# Altium PCB MPPT.PcbDoc
Units mm, origin at the board's own origin, x right, y up, seen from the top; angles counter-clockwise.
Board outline 84 x 83.24 mm, 2 copper layers (Top Layer, Bottom Layer); 69 components, 41 nets, 225 pads, 101 vias.
Unrouted connection lines stored in the file: 1.
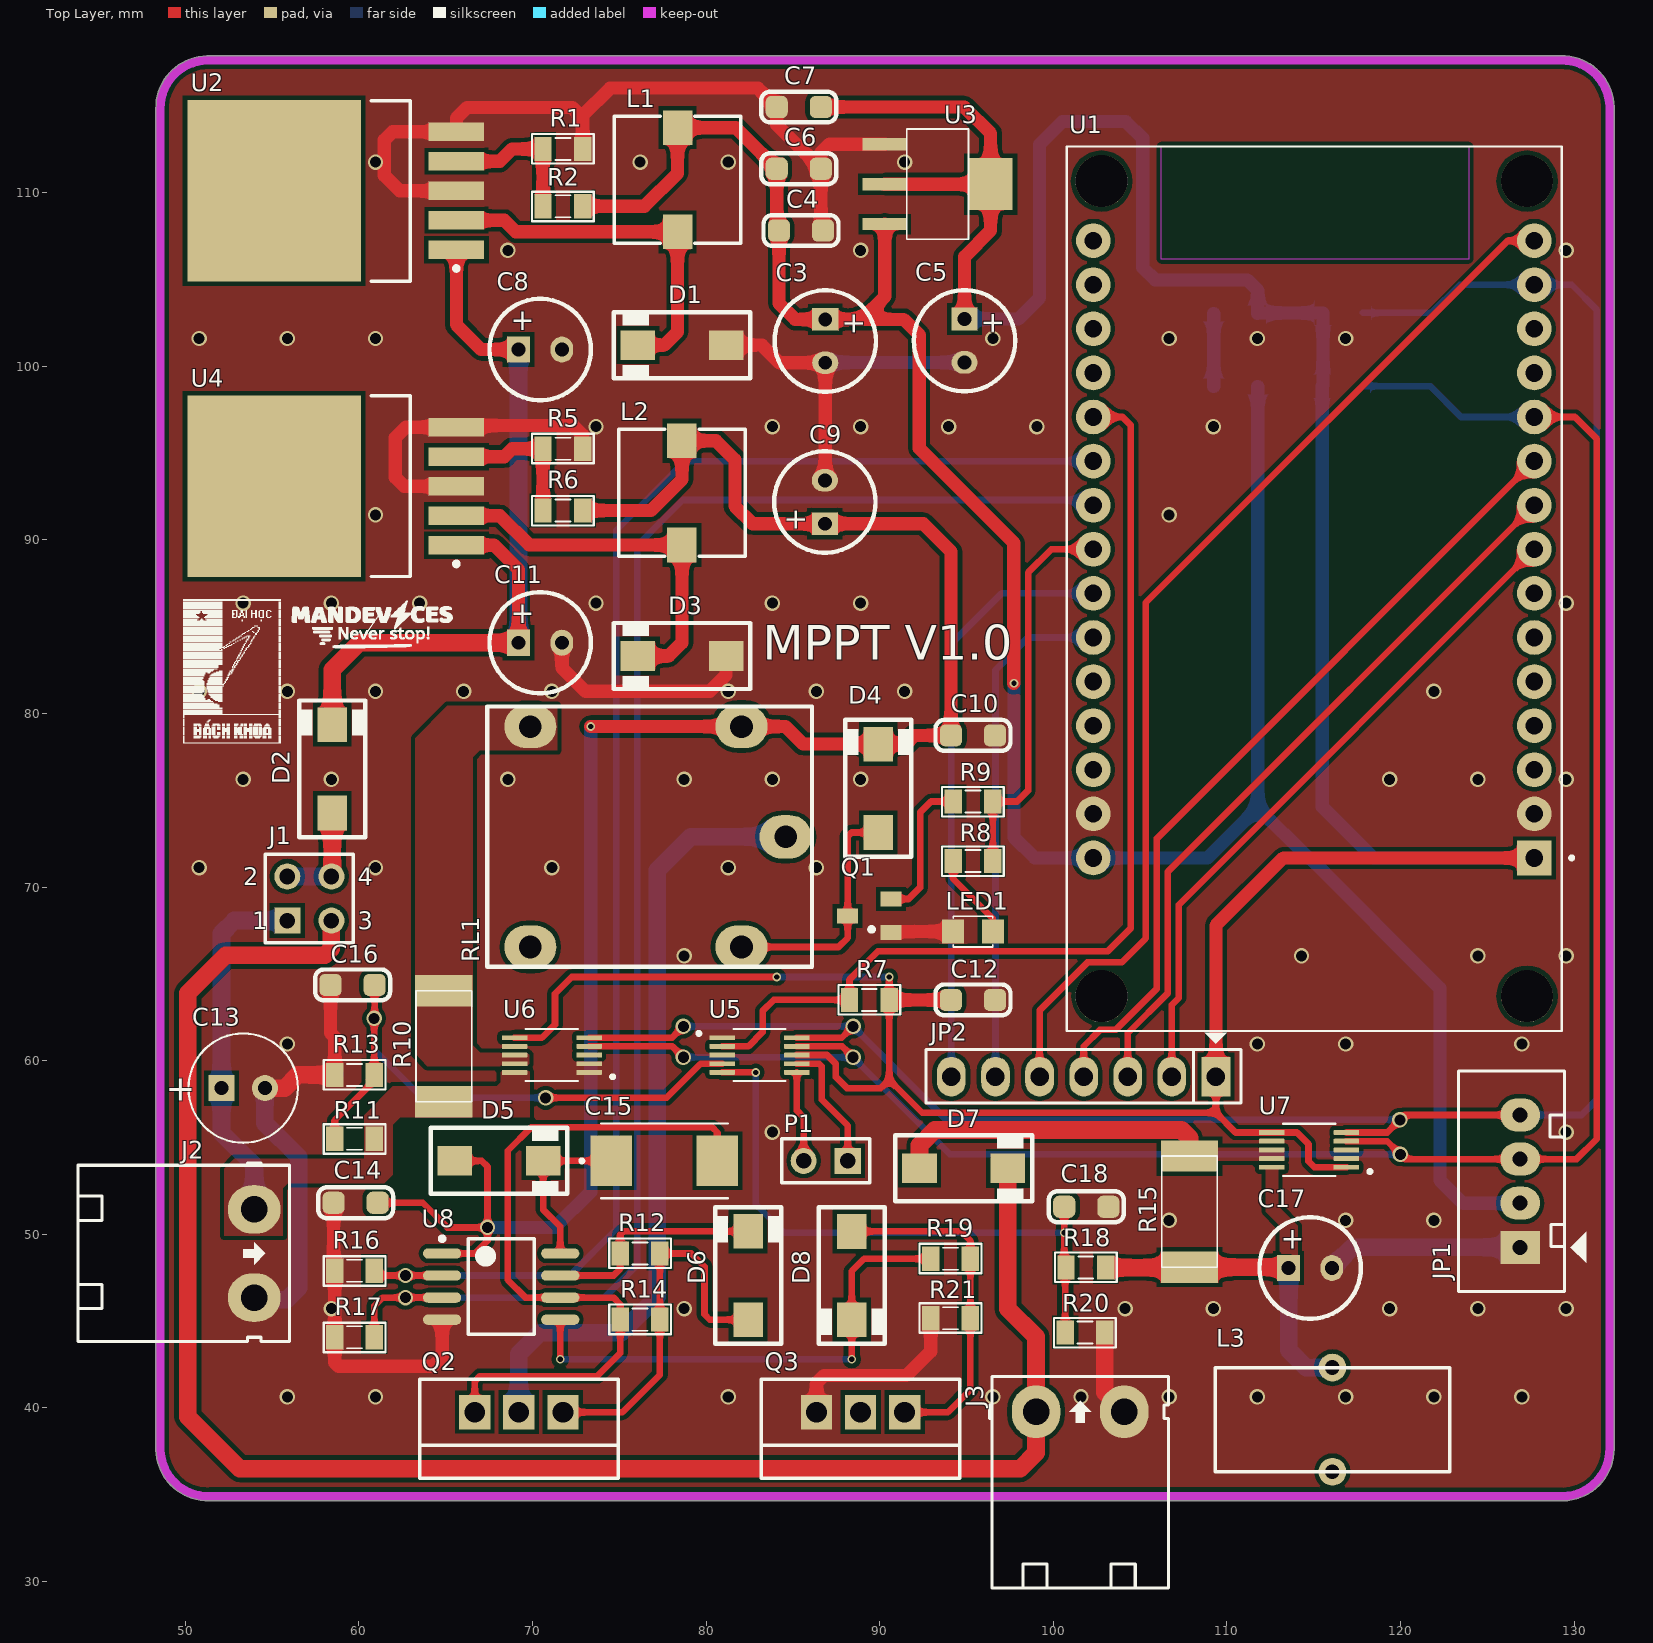
[diagram p0: Top Layer view]
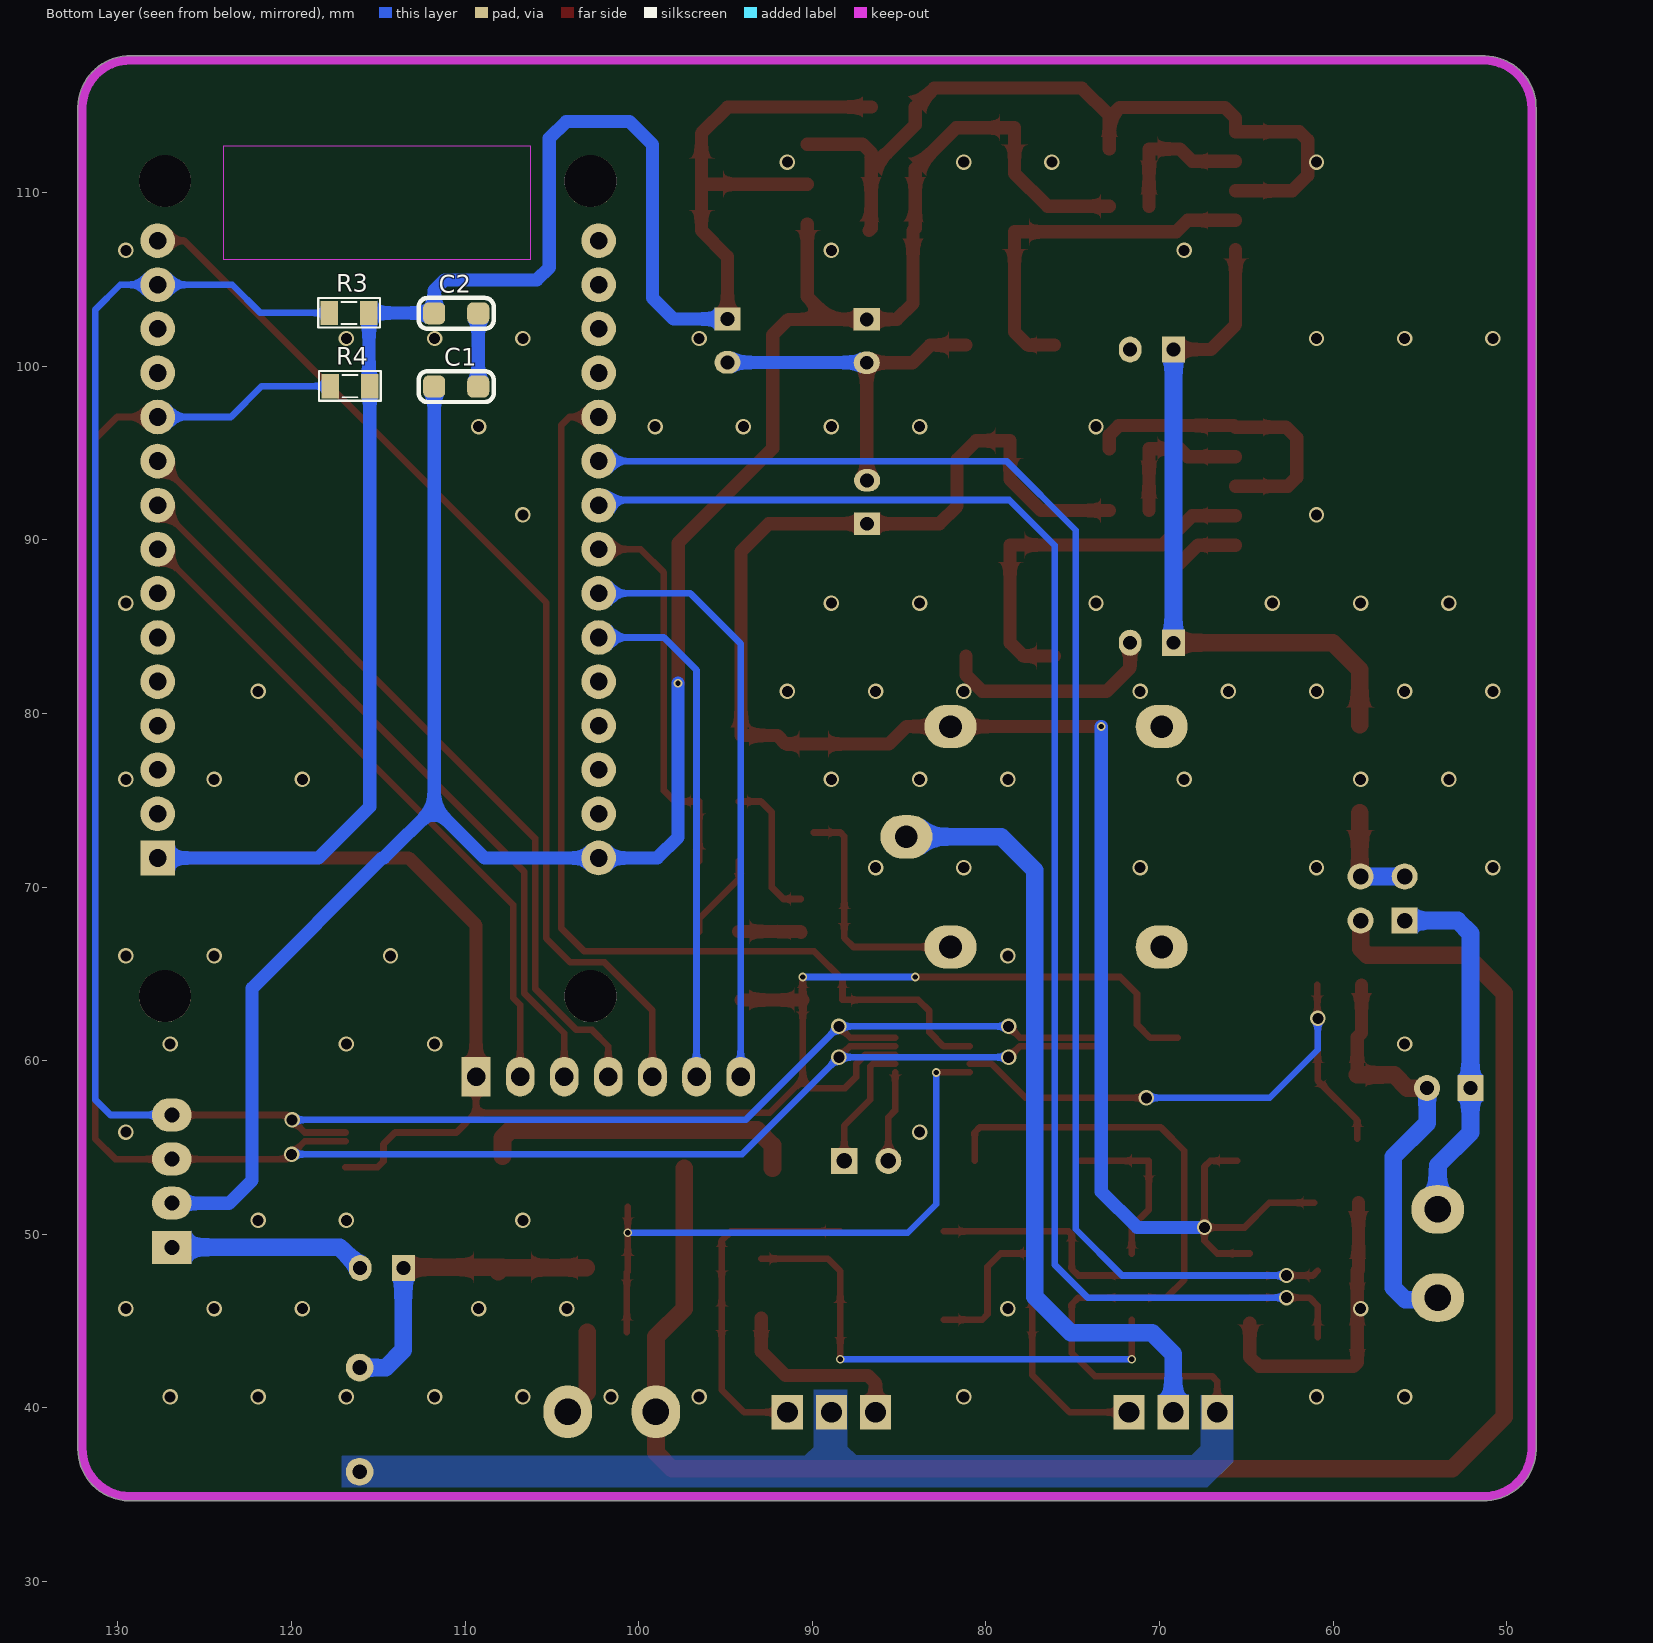
[diagram p1: Bottom Layer view, seen from below]
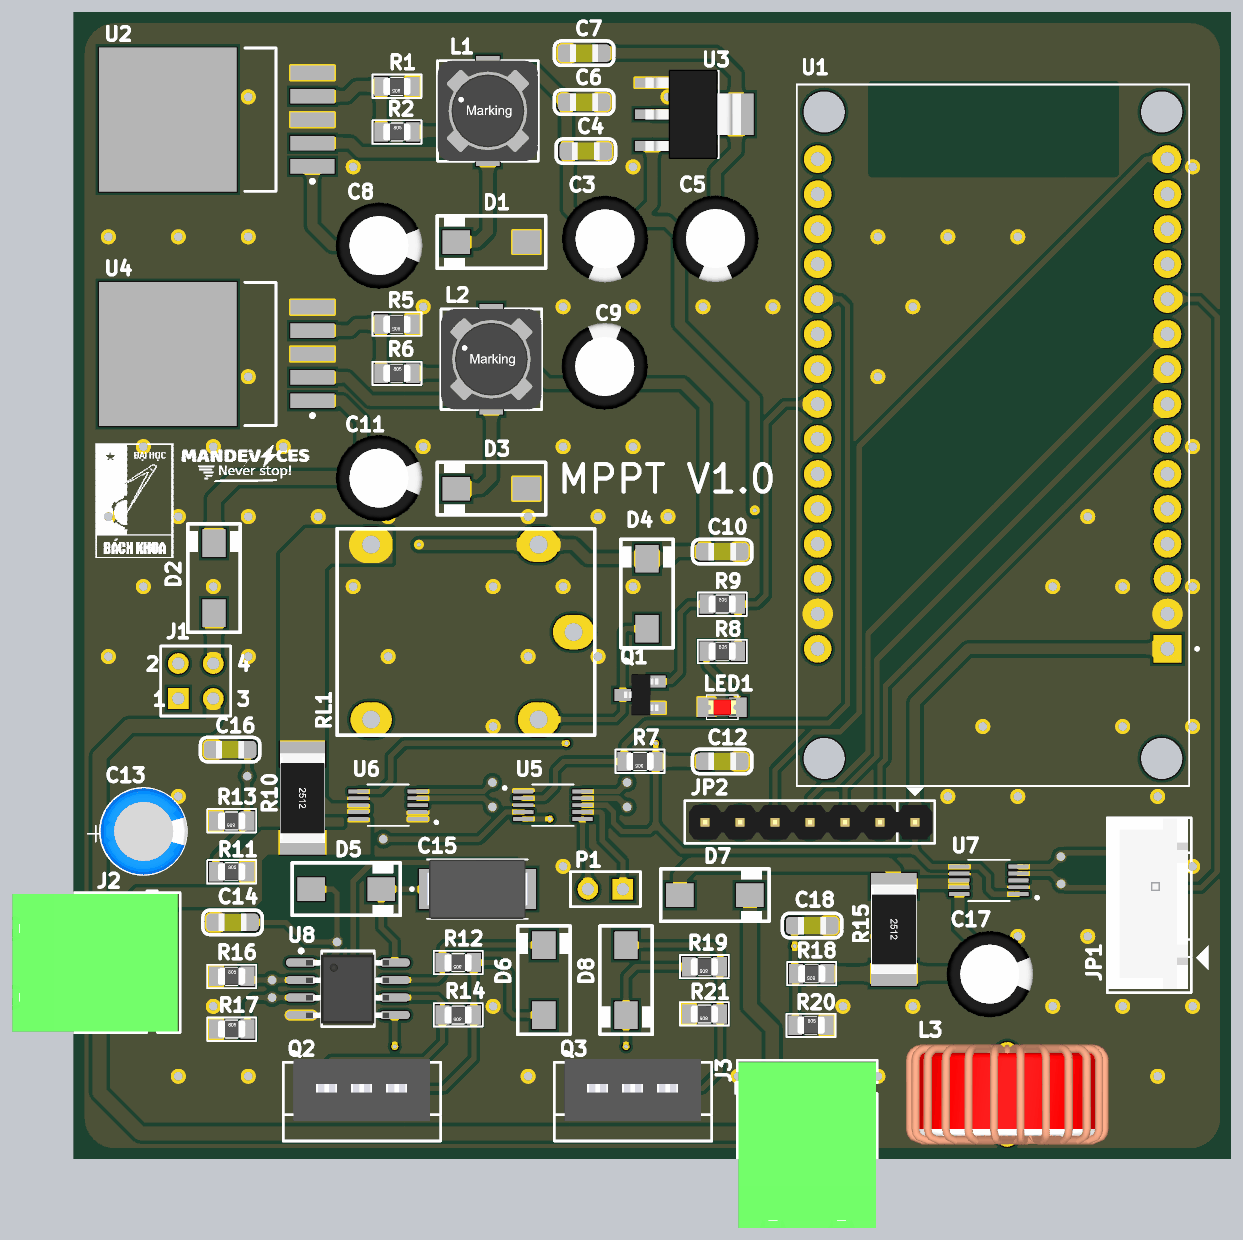
[diagram p2: 3D render of the assembled board from above, using the file's embedded part models]
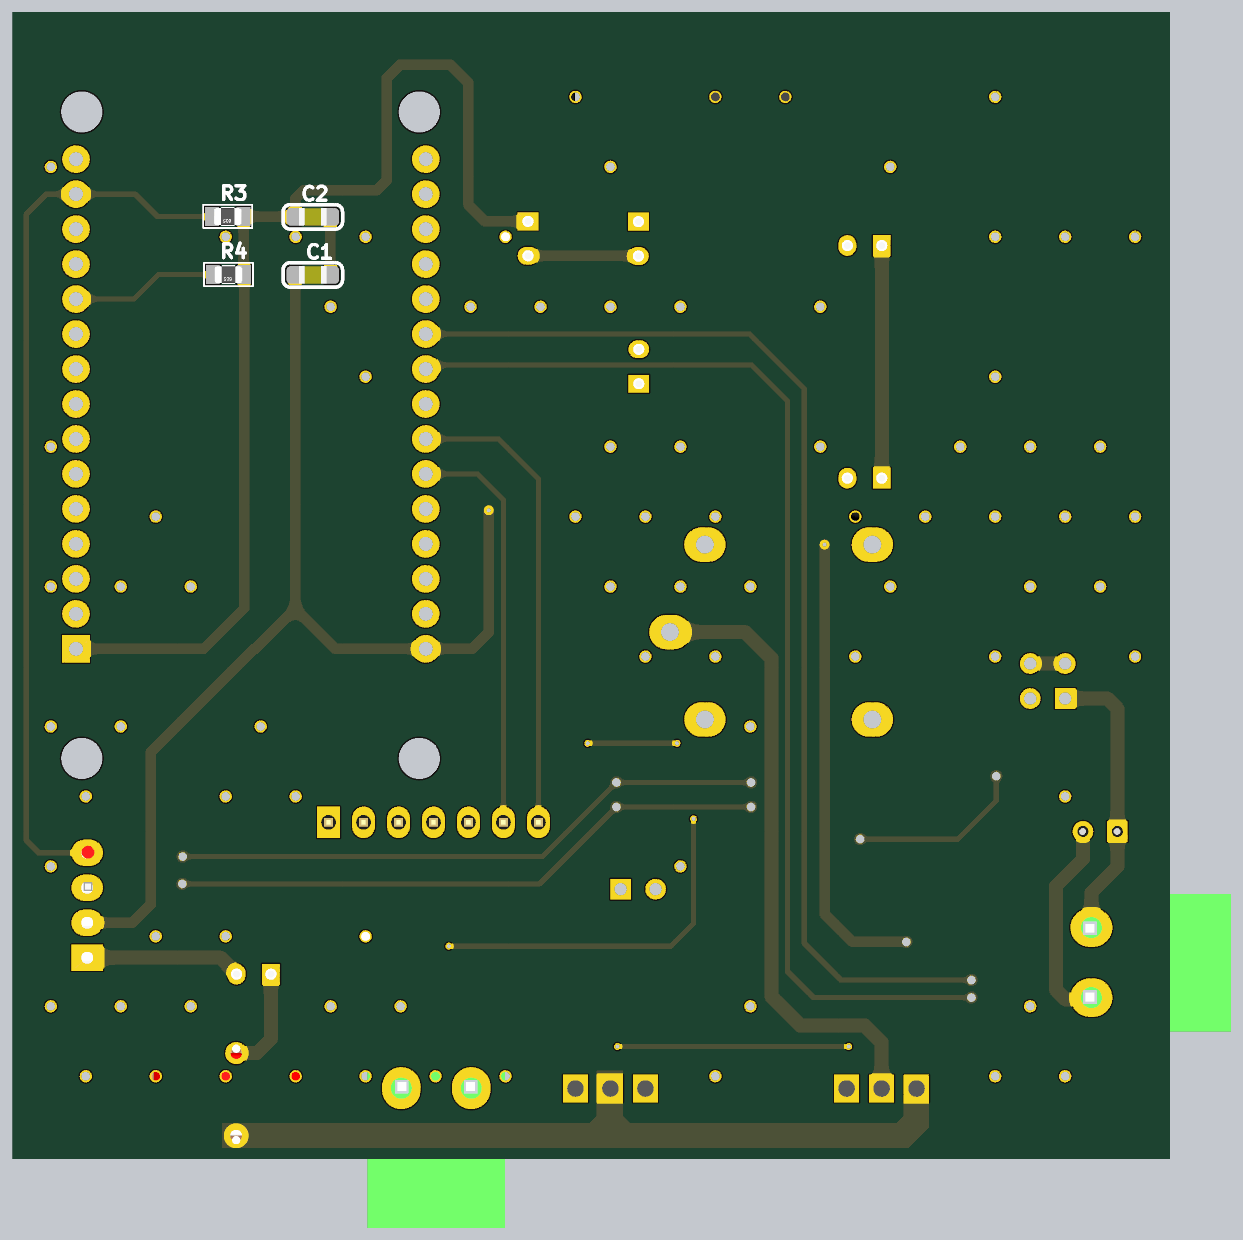
[diagram p3: 3D render of the assembled board from below, using the file's embedded part models]

## Layer stack, top to bottom
Top Solder: solder mask 0.0102, Solder Resist, Dk 3.5
Top Layer: signal copper 0.0356
Dielectric 1: dielectric 0.32, FR-4, Dk 4.8
Bottom Layer: signal copper 0.0356
Bottom Solder: solder mask 0.0102, Solder Resist, Dk 3.5

## Board outline
48.31,37.587 cw(c48.565,37.592) 48.312,37.624 48.312,114.805 cw(c48.565,114.832) 48.311,114.828 cw(c51.308,114.884) 51.251,117.881 cw(c51.256,117.627) 51.29,117.879 cw(c51.308,117.627) 51.308,117.88 129.229,117.88 cw(c129.261,117.627) 129.256,117.882 cw(c129.312,114.885) 132.309,114.941 cw(c132.055,114.936) 132.309,114.936 cw(c132.055,114.936) 132.307,114.901 132.307,37.725 cw(c132.055,37.694) 132.309,37.698 cw(c129.312,37.642) 132.309,37.642 cw(c129.312,37.642) 129.368,34.645 cw(c129.364,34.899) 129.328,34.647 51.376,34.647 cw(c51.359,34.901) 51.364,34.647 cw(c51.308,37.644)

## Design rules (kind name [scope] priority, off if disabled: settings)
Clearance [All] p1: gap=0.254 ignorepadtopadclearanceinfootprint=TRUE
PlaneConnect [All] p1: planeconnectstyle=Direct reliefexpansion=0.508 reliefentries=4 reliefconductorwidth=0.254 reliefairgap=0.254
PolygonConnect [All] p1: connectstyle=Direct reliefconductorwidth=0.254 reliefentries=4 polygonreliefangle="90 Angle" airgapwidth=0.254
RoutingVias [All] p1: holewidth=0.305 width=0.508 viastyle="Through Hole" minholewidth=0.305 minwidth=0.508 maxholewidth=0.305 maxwidth=0.508
SolderMaskExpansion [All] p1: expansion=0.102
Width [All] p1: maxlimit=1.016 minlimit=0.381 preferedwidth=0.762
29 further rules are at their usual default settings.

## Components (designator, comment, footprint, x,y, rotation, side; value= is the part's Value field where it differs from the comment)
C1 "100nF" CAP_0805 110.515,98.831 r0 bottom value=33p
C2 "100nF" CAP_0805 110.515,103.048 r180 bottom value=33p
C3 "220uF" C8mm 86.868,101.453 r270 top
C4 "10uF" CAP_0805 85.471,107.823 r0 top value=33p
C5 "220uF" C8mm 94.889,101.473 r270 top
C6 "100nF" CAP_0805 85.344,111.379 r0 top value=33p
C7 "100nF" CAP_0805 85.344,114.935 r180 top value=33p
C8 "470uF" C8mm 70.448,100.965 r0 top
C9 "220uF" C8mm 86.843,92.182 r90 top
C10 "100nF" CAP_0805 95.377,78.74 r0 top value=33p
C11 "470uF" C8mm 70.448,84.074 r0 top
C12 "100nF" CAP_0805 95.377,63.5 r180 top value=33p
C13 "100uF/35V" CA-ALU-6.3 53.34,58.42 r0 top
C14 "100nF" CAP_0805 59.817,51.816 r180 top value=33p
C15 "10uF" CAP_35TQC10MYF 77.597,54.229 r0 top
C16 "1uF" CAP_0805 59.639,64.364 r180 top value=33p
C17 "470uF" C8mm 114.803,48.057 r0 top
C18 "1uF" CAP_0805 101.905,51.587 r0 top value=33p
D1 "1N5822" SMA 78.613,101.219 r180 top value="Diode c?m 1N5408"
D2 "SS34" SMA 58.471,76.814 r90 top
D3 "1N5822" SMA 78.613,83.312 r180 top value="Diode c?m 1N5408"
D4 "SS34" SMA 89.916,75.692 r90 top
D5 "SS34" SMA 68.076,54.229 r0 top
D6 "SS34" SMA 82.423,47.625 r90 top
D7 "SS34" SMA 94.844,53.797 r0 top
D8 "SS34" SMA 88.392,47.621 r270 top
J1 "Jumper 2x2" HDR2X2 55.88,68.072 r0 top value="JP 2x2"
J2 "KF2" KF2-5.08T 53.975,51.435 r270 top
J3 "KF2" KF2-5.08T 99.009,39.776 r0 top
JP1 "JP4" CON4 126.898,49.251 r90 top value="Connector 4"
JP2 "JP7 PIN" JP7 109.372,59.08 r180 top value=JP7
L1 "33uH" L-SMD-M-7.3x4.5 78.359,110.744 r180 top value="150 mH"
L2 "33uH" L-SMD-M-7.3x4.5 78.613,92.71 r180 top value="150 mH"
L3 "180uH" L-DIP-M-13.5x6 116.078,39.322 r90 top value="150 mH"
LED1 "LED" LED-0805-Red 96.52,67.437 r180 top value="LED 3 ly Single Colour"
P1 "Header 2" HDR1X2 88.163,54.229 r180 top
Q1 "2N222" SOT23 89.408,68.326 r90 top value=C1815
Q2 "IRF2807" TO-220 69.215,39.751 r180 top
Q3 "IRF2807" TO-220 88.9,39.751 r180 top
R1 "1k" RES-SMD-0805 71.755,112.522 r180 top
R2 "3k" RES-SMD-0805 71.755,109.22 r0 top
R3 "10k" RES-SMD-0805 116.688,103.073 r0 bottom
R4 "10k" RES-SMD-0805 116.637,98.857 r0 bottom
R5 "1.5k" RES-SMD-0805 71.755,95.25 r180 top
R6 "13k" RES-SMD-0805 71.755,91.694 r0 top
R7 "10k" RES-SMD-0805 89.408,63.5 r180 top
R8 "1k" RES-SMD-0805 95.377,71.501 r0 top
R9 "1k" RES-SMD-0805 95.377,74.93 r0 top
R10 "R050" RES-SMD-2512 64.77,60.833 r270 top
R11 "200k" RES-SMD-0805 59.753,55.499 r0 top
R12 "100R" RES-SMD-0805 76.2,48.895 r180 top
R13 "20k" RES-SMD-0805 59.753,59.182 r180 top
R14 "100k" RES-SMD-0805 76.2,45.085 r180 top
R15 "R050" RES-SMD-2512 107.721,51.308 r270 top
R16 "10k" RES-SMD-0805 59.753,47.898 r0 top
R17 "10k" RES-SMD-0805 59.753,44.069 r0 top
R18 "10k" RES-SMD-0805 101.879,48.082 r180 top
R19 "100R" RES-SMD-0805 94.082,48.59 r180 top
R20 "5.1k" RES-SMD-0805 101.829,44.348 r0 top
R21 "100k" RES-SMD-0805 94.082,45.161 r180 top
RL1 "Relay 10A/12V" RELAY5PIN-10A 84.582,72.898 r90 top value="Relay SPDT, 10A, 12V"
U1 "ESP32-DEVKIT-V1" MODULE_ESP32_DEVKIT_V1 115.011,87.194 r180 top
U2 "LM2596" TO-263 59.618,110.109 r180 top
U3 "LM1117-ADJ" LM1117-SOP 91.567,110.49 r270 top
U4 "LM2596" TO-263 59.618,93.091 r180 top
U5 "ADS1115IDGSR" SOP50P490X110-10N 83.083,60.325 r0 top
U6 "INA226AIDGSR" SOP50P490X110-10N 71.12,60.325 r180 top
U7 "INA226AIDGSR" SOP50P490X110-10N 114.741,54.864 r180 top
U8 "IR2104" SO-8N 68.199,46.99 r0 top

## Footprints (in the part's own frame and the unit in brackets; to place one, negate y for a bottom-side part, rotate by r counter-clockwise, add the part's x,y. Pads: shape width x height; smd on the part's side, far side on the other; paste and mask are expansions set on the pad)
C8mm [mm]
  rect 1.3x1.5 hole 0.8: 1(-1.25,0)
  oval 1.3x1.5 hole 0.8: 2(1.25,0)
  silkscreen extent -2.92,-2.92 2.92,2.92, body extent -3.15,-3.15 3.13,3.15, height 11.51
CA-ALU-6.3 [mm] "Polarized capacitors, Aluminum Electrolytic Capacitors, 2-Leads, Body 6.3x15x2.5x0.5"
  rect 1.5x1.5 hole 0.8: 1(-1.25,0)
  round 1.5 hole 0.8: 2(1.25,0)
  silkscreen extent -3.15,-3.15 3.15,3.15, body extent -3.12,-3.15 3.17,3.15, height 11
CAP_35TQC10MYF [mm]
  rect 2.4x2.9 smd: 1(-3.05,0) 2(3.05,0)
  silkscreen extent -4.85,-2.15 3.65,2.15, body extent -3.65,-2.15 3.65,2.15, height 1.9
CAP_0805 [mm]
  rrect50% 1.27x1.27 smd: 1(-1.27,0) 2(1.27,0)
  silkscreen extent -2.16,-0.89 2.16,0.89, body extent -1.01,-0.64 1.01,0.64, height 0.61
CON4 [mil] "CON4"
  rect 75x90 hole 34: 1(0,0)
  oval 75x90 hole 34: 2(100,0) 3(200,0) 4(300,0)
  silkscreen extent -100,-150 400,140, body extent -90,-90 398,136, height 276
HDR1X2 [mm] "Connector; Header; 2 Position"
  rect 1.5x1.5 hole 0.9: 1(0,0)
  round 1.5 hole 0.9: 2(2.54,0)
  silkscreen extent -1.27,-1.27 3.81,1.27, body extent -1.27,-1.27 3.81,1.27, height 7
HDR2X2 [mm] "Connector; Header; 2x2 Position"
  rect 1.5x1.5 hole 0.9: 1(0,0)
  round 1.5 hole 0.9: 2(0,2.54) 3(2.54,0) 4(2.54,2.54)
  silkscreen extent -1.27,-1.27 3.81,3.81, body extent -1.27,-1.27 3.81,3.81, height 7
JP7 [mil] "JP7"
  rect 65x90 hole 42: 1(0,0)
  oval 65x90 hole 42: 2(100,0) 3(200,0) 4(300,0) 5(400,0) 6(500,0) 7(600,0)
  silkscreen extent -57,-100 658,60, body extent -50,-49 646,49, height 323
KF2-5.08T [mil] "Header 2, 2 pin, hight 300mil, Pin to Pin 200, Colour Green"
  oval 110x120 hole 60: 1(0,0) 2(200,0)
  silkscreen extent -105,-400 300,80, body extent -97,-399 297,73, height 334
L-DIP-M-13.5x6 [mm] "Body 13.5x6mm, 2 leads"
  round 1.6 hole 0.85: 1(-3,0) 2(3,0)
  silkscreen extent -3,-6.75 3,6.75, body extent -3.62,-7.35 3.62,7.35, height 14.8
L-SMD-M-7.3x4.5 [mm] "WE-PDA SMD Shielded Power Inductor, 7345"
  rect 1.7x2 smd: 1(0,3) 2(0,-3)
  silkscreen extent -3.65,-3.65 3.65,3.65, body extent -3.65,-3.65 3.65,3.65, height 4.05
LED-0805-Red [mil]
  rect 50x55 smd: 1(0,0) 2(90,0)
  silkscreen extent 0,-35 90,35, body extent 5,-25 85,25, height 43
LM1117-SOP [mm]
  rect 0.7x2.54 smd: 1(-2.3,-1.27) 2(0,-1.27) 3(2.3,-1.27)
  rect 3x2.54 smd: 2(0,4.826)
  silkscreen extent -3.18,0 3.17,3.56, body extent -3.25,-1.78 3.25,5.18, height 1.68
MODULE_ESP32_DEVKIT_V1 [mm]
  rect 2x2 hole 1.02: 1(-12.7,15.515)
  round 2 hole 1.02: 2(-12.7,12.975) 3(-12.7,10.435) 4(-12.7,7.895) 5(-12.7,5.355) 6(-12.7,2.815) 7(-12.7,0.275) 8(-12.7,-2.265) 9(-12.7,-4.805) 10(-12.7,-7.345) 11(-12.7,-9.885) 12(-12.7,-12.425) 13(-12.7,-14.965) 14(-12.7,-17.505) 15(-12.7,-20.045) 16(12.7,-20.045) 17(12.7,-17.505) 18(12.7,-14.965) 19(12.7,-12.425) 20(12.7,-9.885) 21(12.7,-7.345) 22(12.7,-4.805) 23(12.7,-2.265) 24(12.7,0.275) 25(12.7,2.815) 26(12.7,5.355) 27(12.7,7.895) 28(12.7,10.435) 29(12.7,12.975) 30(12.7,15.515)
  round 3 hole 3 unplated: ""(-12.28,23.475) ""(-12.28,-23.475) ""(12.23,23.475) ""(12.23,-23.475)
  Keep-Out Layer region: 8.78,-25.475 -8.91,-25.475 -8.91,-18.985 8.78,-18.985
  Keep-Out Layer region: 8.78,-25.475 -8.91,-25.475 -8.91,-18.985 8.78,-18.985
  silkscreen extent -14.95,-25.48 14.23,25.48
RELAY5PIN-10A [mm]
  oval 2.5x3 hole 1.3: 1(0,0) 2(-6.35,14.7) 3(6.35,14.7) 4(-6.35,2.54) 5(6.35,2.54)
  silkscreen extent -7.49,-1.52 7.51,17.18, body extent -7.49,-1.52 7.49,17.14, height 16
RES-SMD-0805 [mil]
  rect 39.37x55 smd: 1(-45,0) 2(45,0)
  silkscreen extent -70,-34 70,33, body extent -39,-25 39,25, height 31
RES-SMD-2512 [mm] "Chip Capacitor, Body 3.2x2.5mm, IPC Medium Density"
  rect 1.8x3.3 smd: 1(-3.2,0.127) 2(3.2,0.127)
  silkscreen extent -3.2,-1.47 3.2,1.73, body extent -3.2,-1.47 3.2,1.73, height 0.6
SMA [mm]
  rect 2x1.7 smd: 1(-2.544,0) 2(2.544,0)
  silkscreen extent -3.94,-1.9 3.94,1.91, body extent -2.87,-1.4 2.87,1.4, height 2.29
SO-8N [mm] "SOP, 8-Leads, Body 5.3x5.3mm, Pitch 1.27mm, IPC Medium Density"
  oval 2.2x0.6 smd: 1(-3.4,1.905) 2(-3.4,0.635) 3(-3.4,-0.635) 4(-3.4,-1.905) 5(3.4,-1.905) 6(3.4,-0.635) 7(3.4,0.635) 8(3.4,1.905)
  silkscreen extent -3.52,-2.75 1.9,2.88, body extent -3.05,-2.54 3,2.48, height 1.6
SOP50P490X110-10N [mm]
  rrect25% 1.47x0.28 smd: 1(-2.15,1) 2(-2.15,0.5) 3(-2.15,0) 4(-2.15,-0.5) 5(-2.15,-1) 6(2.15,-1) 7(2.15,-0.5) 8(2.15,0) 9(2.15,0.5) 10(2.15,1)
  silkscreen extent -3.6,-1.5 1.5,1.5
SOT23 [mm] "SOT 23 _ 1-3-2"
  rect 0.85x1.2 smd: 1(-0.94,-1.245) 2(0.985,-1.25) 3(0.005,1.25)
  silkscreen extent -0.88,-0.25 -0.64,0, body extent -1.47,-1.33 1.53,1.17, height 1.06
TO-220 [mm]
  rect 1.8x2 hole 1.2: 1(-2.54,0) 2(0,0) 3(2.54,0)
  silkscreen extent -5.72,-1.91 5.71,3.81, body extent -4.92,-2.13 4.98,2.37, height 8.08
TO-263 [mm]
  rect 3.2x1.05 smd: 1(-6,3.4) 2(-6,1.7) 3(-6,0) 4(-6,-1.7) 5(-6,-3.4)
  rect 10x10.45 smd: 6(4.5,0)
  silkscreen extent -6.13,-5.2 -1.1,5.2, body extent -6.58,-5.2 7.57,5.2, height 4.65

## Part data
C1 C2 C4 C6 C7 C10 C12 C14 C16 C18: library part CapSMD, "Capacitor", LatestRevisionDate=17-Jul-2002, LatestRevisionNote="Re-released for DXP Platform.", PackageReference=RAD-0.3, Published=8-Jun-2000, Publisher="Altium Limited"
C3 C5 C9 C15: library part "Cap Pol", "220uF 25V 6x7mm", LatestRevisionDate=17-Jul-2002, LatestRevisionNote="Re-released for DXP Platform.", PackageReference=POLAR0.8, Published=8-Jun-2000, Publisher="Altium Limited"
C8 C11: library part "Cap Pol", "220uF 50V 8x12mm", LatestRevisionDate=17-Jul-2002, LatestRevisionNote="Re-released for DXP Platform.", PackageReference=POLAR0.8, Published=8-Jun-2000, Publisher="Altium Limited"
C13: library part "Cap Pol", "Polarized Capacitor (Axial)", LatestRevisionDate=17-Jul-2002, LatestRevisionNote="Re-released for DXP Platform.", PackageReference=POLAR0.8, Published=8-Jun-2000, Publisher="Altium Limited"
C17: library part "Cap Pol", "470uF 50V 8x12mm", LatestRevisionDate=17-Jul-2002, LatestRevisionNote="Re-released for DXP Platform.", PackageReference=POLAR0.8, Published=8-Jun-2000, Publisher="Altium Limited"
D1 D3: "Schottky Rectifiers"
D2 D6 D7 D8: library part "Diode SS34 ( 1N5822 )", "Dán", Chung_Loai=Dán, Don_Vi=Con, Ma_Hang=MH002104, Ten_Linh_Kien="Diode SS34 3A 40V SMA ( 1N5822 SS34A)"
D4 D5: library part "Diode SS34 ( 1N5822 )", Chung_Loai=Dán, Don_Vi=Con, Ma_Hang=MH002104, Ten_Linh_Kien="Diode SS34 3A 40V SMA ( 1N5822 SS34A)"
J1: library part JP2x2
J2 J3: Manufacturer="Würth Elektronik eiSos GmbH", partNo=691103110002, ComponentLink1 Description=Manufacturer, ComponentLink1URL=http://www.we-online.com, ComponentLink2 Description=Datasheet, ComponentLink2URL=http://katalog.we-online.de/em/datasheet/6911031100xx.pdf, Created by="Karrer Zheng", Created Date="29 October 2013", NoPins=2
JP1: library part Con4, "Connector 4"
JP2: library part JP7
L1 L2: library part "Inductor Ferit", "33uH CD127 3A 12x12x7mm"
L3: library part Inductor, "180uH 4A 13mm"
LED1: "LED Single colour Green and Red"
P1: "Header, 2-Pin", LatestRevisionDate=17-Jul-2002, LatestRevisionNote="Re-released for DXP Platform.", Publisher="Altium Limited"
Q1: "NPN 600mW, ECB", =C2383
R1 R2 R3 R4 R5 R6 R7 R8 R9 R11 R12 R13 R14 R16 R17 R18 R19 R20 R21: library part "Resistor - SMD", "Resistor", Manufacturer="Generic Components", Class=Passive, Published=08/06/2000, Publisher="Altium Hobart Technology Centre"
R10 R15: library part "Resistor - SMD", "Resistor SMD", Manufacturer="Generic Components", Class=Passive, Published=08/06/2000, Publisher="Altium Hobart Technology Centre"
RL1: library part "Relay 5", "Relay SPDT,10A - 12VDC 5 Pin", ="Relay SPDT, 10A, 24V"
U1: "Dual core, Wi-Fi: 2.4 GHz up to 150 Mbits/s,BLE (Bluetooth Low Energy) and legacy Bluetooth, 32 bits, Up to 240 MHz", Package=None, Availability=Unavailable, MP=ESP32-DEVKIT-V1, Price=None
U2 U4: Max Input Voltage="12 V", Max Output Current="3 (6.0 peak) A", Max Output Voltage=mV, Temperature Range="-40 to +125 degC", Category=IC-Power, Min Input Voltage=mV, Min Output Voltage=mV, Mounting Technology="Surface Mount", Status=Unreleased, Supply Voltage=mV
U3: "800mA Low-Dropout Linear Regulator", Creator="Nguyen Ba Bien", Website=http://group3i.net
U5: Package=None, Availability=Unavailable, MP=ADS1115IDGSR, Price=None
U6 U7: "36V, 16-bit, ultra-precise i2c output current/voltage/power monitor w/alert 10-VSSOP -40 to 125", Package="VSSOP-10 Texas Instruments", Arrow_Electronics-Purchase-URL=https://snapeda.com/shop?store=Arrow+Electronics&id=53552, Availability=Good, BuyPart=https://www.snapeda.com/parts/INA226AIDGSR/Texas%20Instruments/view-part/53552/?ref=eda, DigiKey-Purchase-URL=https://snapeda.com/shop?store=DigiKey&id=53552, MF="Texas Instruments", Mouser-Purchase-URL=https://snapeda.com/shop?store=Mouser&id=53552, MP=INA226AIDGSR, Price=None, SnapEDA_Link=https://www.snapeda.com/parts/INA226AIDGSR/Texas%20Instruments/view-part/53552/?ref=snap, Texas_Instruments-Purchase-URL=https://snapeda.com/shop?store=Texas+Instruments&id=53552
U8: library part IR2184, "Half-Bridge Driver"

## Via types
v1: diameter 0.889, hole 0.635, Top Layer to Bottom Layer, 82 vias
v2: diameter 0.889, hole 0.635, Top Layer to Bottom Layer, tented both sides, 11 vias
v3: diameter 0.508, hole 0.305, Top Layer to Bottom Layer, 8 vias

## Nets (pads, with @x,y where several pads share a name; then routed paths per layer and width w, separated by ;. In a path a pad name is that pad's centre, name@x,y a point inside that pad or via, vN(x,y) a via of type N, cw(c..) or ccw(c..) an arc to the next point about the centre after c; other vN are vias at no path point)
3V3: C2.1 C5.1 C7.1 C12.2 JP2.1 R3.1 R4.1 R7.1 U1.1 U3.2 U5.8 U6.6 U7.1 U7.6 | length 210
  Top Layer w0.381: U6.6 70.545,61.325 71.298,62.078 71.298,63.856 72.263,64.821 v3(84.074,64.821) ; U5.8 86.97,60.325 87.478,59.817 87.478,59.055 88.113,58.42 90.068,58.42 90.551,58.903 ; v3(90.551,64.821) R7.1 90.551,58.903 ; JP2.1 109.372,56.998 ; U7.1 115.046,53.864 114.706,54.204 114.706,55.194 114.037,55.864 U7.6 110.506,55.864 109.372,56.998 ; 90.551,58.903 92.456,56.998 109.372,56.998
  Top Layer w0.762: C7.1 94.869,114.935 96.393,113.411 U3.2@96.393,110.49 ; U3.2@90.297,110.49 U3.2@96.393,110.49 ; R7.1 C12.2 ; C5.1 94.889,106.319 96.393,107.823 U3.2@96.393,110.49 ; JP2.1 109.372,67.793 113.259,71.679 U1.1
  Bottom Layer w0.381: v3(84.074,64.821) v3(90.551,64.821)
  Bottom Layer w0.762: C5.1 97.999,102.723 99.212,103.937 99.212,112.776 100.533,114.097 104.191,114.097 105.156,113.132 105.156,105.689 105.867,104.978 111.176,104.978 111.785,104.369 C2.1 111.811,103.073 R3.1 115.545,98.908 R4.1 115.494,74.625 118.44,71.679 U1.1
+5: C1.2 C3.1 C4.1 C6.1 JP1.2 L1.2 R2.2 U1.30 U3.3 | length 140.4
  Top Layer w0.762: R2.2 76.454,109.22 78.359,111.125 L1.2 81.709,113.744 C6.1 84.074,107.95 C4.1 84.201,103.632 85.13,102.703 C3.1 88.987,102.703 ; U3.3 90.297,104.013 88.987,102.703 ; v3@97.727,81.737 97.727,89.827 92.278,95.275 92.278,101.803 91.378,102.703 88.987,102.703
  Bottom Layer w0.762: v3(97.739,81.737) 97.739,72.873 98.933,71.679 U1.30 108.89,71.679 111.785,74.574 ; C1.2 111.785,74.574 ; JP1.2 123.596,51.791 122.276,53.111 122.276,64.184 114.781,71.679 114.681,71.679 111.785,74.574
+12: C9.1 C10.1 C14.1 D4.2 D5.1 L2.2 R6.2 RL1.5 U8.1 | length 110.1
  Top Layer w0.381: C14.1 63.678,51.816 65.1,50.394 v2(67.412,50.394) ; U8.1 66.675,48.895 67.412,49.632 v2(67.412,50.394) ; D5.1 67.081,54.229 67.412,53.899 v2(67.412,50.394)
  Top Layer w0.762: R6.2 76.835,91.694 78.613,93.472 L2.2 80.566,95.71 81.661,94.615 81.661,91.948 82.677,90.932 C9.1 92.507,90.932 94.107,89.332 C10.1 92.024,78.74 91.52,78.236 D4.2 85.594,78.236 84.582,79.248 RL1.5 v3(73.355,79.248)
  Bottom Layer w0.762: v2(67.412,50.394) 71.298,50.394 73.355,52.451 v3(73.355,79.248)
ADC_SCL: JP1.4 R3.2 U1.14 U5.10 U6.5 U7.5 | length 128.2
  Top Layer w0.381: U6.5 78.038,61.325 v2(78.689,61.976) ; U5.10 87.817,61.325 v2(88.468,61.976) ; U7.5 119.237,55.864 v2(119.964,56.591) 120.244,56.871 JP1.4
  Bottom Layer w0.381: v2(78.689,61.976) v2(88.468,61.976) 93.853,56.591 94.031,56.591 v2(119.964,56.591) ; R3.2 121.793,103.073 123.419,104.699 U1.14 129.87,104.699 131.318,103.251 131.318,57.76 130.429,56.871 JP1.4
ADC_SDA: JP1.3 R4.2 U1.11 U5.9 U6.4 U7.4 | length 123.8
  Top Layer w0.381: U6.4 78.062,60.825 v2(78.689,60.198) ; U5.9 87.841,60.825 v2(88.468,60.198) ; U7.4 119.236,55.364 v2(119.99,54.61) 120.269,54.331 JP1.3 130.15,54.331 131.318,55.499 131.318,95.809 130.048,97.079 U1.11
  Bottom Layer w0.381: v2(78.689,60.198) v2(88.468,60.198) 94.056,54.61 94.183,54.61 v2(119.99,54.61) ; R4.2 121.717,98.857 123.495,97.079 U1.11 ; JP1.3@126.619,54.61 JP1.3 ; JP1.3@126.784,54.216 JP1.3@126.898,54.102
BAT+: D7.2 J1.3 J3.1 | length 102.9
  Top Layer w1.016: J1.3 58.42,66.446 58.039,66.065 52.324,66.065 50.14,63.881 50.14,39.497 53.137,36.5 98.095,36.5 99.009,37.414 J3.1 99.009,44.094 97.388,45.716 D7.2
ESP32_GPIO25: R8.2 R9.2 U1.23 | length 22.6
  Top Layer w0.381: R8.2 R9.2 97.917,74.93 98.552,75.565 98.552,88.113 99.898,89.459 U1.23
ESP32_GPIO26: JP2.7 U1.24 | length 34.3
  Bottom Layer w0.381: JP2.7 94.132,84.023 97.028,86.919 U1.24
ESP32_GPIO27: JP2.6 U1.25 | length 29.8
  Bottom Layer w0.381: JP2.6 96.672,82.499 98.552,84.379 U1.25
ESP32_GPIO32: R16.2 U1.21 U8.2 | length 86.7
  Top Layer w0.381: R16.2 61.17,47.625 v2(62.687,47.625) U8.2
  Bottom Layer w0.381: v2(62.687,47.625) 72.161,47.625 74.828,50.292 74.828,90.551 78.816,94.539 U1.21
ESP32_GPIO33: R17.2 U1.22 U8.3 | length 89
  Top Layer w0.381: R17.2 60.896,45.885 61.366,46.355 v2(62.687,46.355) U8.3
  Bottom Layer w0.381: v2(62.687,46.355) 74.143,46.355 76.048,48.26 76.048,89.687 78.661,92.301 102.009,92.301 U1.22
ESP32_GPIO35: R7.2 U1.20 U5.2 | length 59.1
  Top Layer w0.381: U5.2 82.44,60.825 83.261,61.646 83.261,62.865 83.896,63.5 R7.2 88.265,64.668 89.895,66.298 93.411,66.298 93.415,66.294 95.053,66.294 95.057,66.298 95.697,66.298 95.701,66.294 97.339,66.294 97.343,66.298 103.128,66.298 104.47,67.64 104.47,96.596 103.988,97.079 U1.20
ESP32_MISO: JP2.4 U1.10 | length 46.7
  Top Layer w0.381: JP2.4 101.752,60.835 102.692,61.774 103.587,61.774 105.969,64.156 105.969,72.796 U1.10
ESP32_MOSI: JP2.5 U1.15 | length 62
  Top Layer w0.381: JP2.5 99.212,62.9 101.976,65.663 103.95,65.663 105.334,67.047 105.334,86.385 126.187,107.239 U1.15
ESP32_SCK: JP2.3 U1.9 | length 42.6
  Top Layer w0.381: JP2.3 104.292,61.582 106.604,63.893 106.604,70.891 U1.9
ESP32_SS: JP2.2 U1.8 | length 39
  Top Layer w0.381: JP2.2 106.832,63.224 107.239,63.63 107.239,68.986 U1.8
GND: C1.1 C2.2 C3.2 C4.2 C5.2 C6.2 C7.2 C8.2 C9.2 C10.2 C11.2 C12.1 C13.2 C14.2 C16.2 C17.2 C18.2 D1.1 D3.1 J2.2 J3.2 JP1.1 LED1.2 Q1.1 Q3.3 R1.1 R5.1 R13.2 R16.1 R17.1 R20.2 R21.2 U1.2 U1.29 U2.3 U2.5 U3.1 U4.3 U4.5 U5.1 U5.3 U6.1 U6.2 U6.7 U7.2 U7.7 U8.4 | length 176.3
  Top Layer w0.762: C16.2 58.369,61.595 58.611,61.354 R13.2 ; C14.2 58.547,47.962 R16.1 R17.1 58.61,42.609 58.826,42.393 64.262,42.393 64.799,42.93 U8.4@64.799,44.882 ; U4.3 62.611,93.091 62.103,93.599 62.103,95.885 62.709,96.491 U4.5 65.711,96.584 72.352,96.584 72.898,96.037 R5.1 ; U2.3 62.357,110.109 61.468,110.998 61.468,113.03 61.947,113.509 U2.5 65.618,114.284 66.243,114.91 72.288,114.91 72.898,114.3 ; C11.2 71.698,82.632 73.05,81.28 80.213,81.28 81.157,82.224 D3.1 ; R1.1 72.898,114.3 ; D1.1 83.21,101.219 84.226,100.203 C3.2 86.868,93.457 C9.2 ; Q3.3 86.36,41.427 86.792,41.859 91.542,41.859 92.939,43.256 R21.2 ; C4.2 86.614,107.95 C6.2 ; U3.1 87.111,112.79 86.614,112.293 C6.2 ; Q1.1 90.703,67.437 LED1.2 ; 72.898,114.3 72.898,114.452 74.473,116.027 82.982,116.027 C7.2 84.074,113.919 C6.2
  Top Layer w1.016: C13.2 55.728,58.42 56.49,59.182 R13.2 ; R20.2 102.972,40.894 J3.2
  Bottom Layer w0.762: C3.2 86.888,100.223 C5.2 ; C1.1 C2.2
  Bottom Layer w1.016: J2.2 54.102,46.228 55.855,46.228 56.54,46.914 56.54,54.458 54.59,56.408 C13.2 ; C17.2 116.053,48.082 117.221,49.251 JP1.1
  other v1: 55.88,40.64 60.96,40.64 81.28,40.64 96.52,40.64 101.6,40.64 106.68,40.64 111.76,40.64 116.84,40.64 121.92,40.64 127,40.64 58.42,45.72 78.74,45.72 104.14,45.72 109.22,45.72 119.38,45.72 124.46,45.72 129.54,45.72 106.68,50.8 116.84,50.8 121.92,50.8 83.82,55.88 129.54,55.88 55.88,60.96 111.76,60.96 116.84,60.96 127,60.96 78.74,66.04 114.3,66.04 124.46,66.04 129.54,66.04 50.8,71.12 60.96,71.12 71.12,71.12 81.28,71.12 86.36,71.12 53.34,76.2 58.42,76.2 68.58,76.2 78.74,76.2 83.82,76.2 88.9,76.2 119.38,76.2 124.46,76.2 129.54,76.2 50.8,81.28 55.88,81.28 60.96,81.28 66.04,81.28 71.12,81.28 81.28,81.28 86.36,81.28 91.44,81.28 121.92,81.28 53.34,86.36 58.42,86.36 63.5,86.36 73.66,86.36 83.82,86.36 88.9,86.36 129.54,86.36 60.96,91.44 106.68,91.44 73.66,96.52 83.82,96.52 88.9,96.52 93.98,96.52 99.06,96.52 109.22,96.52 50.8,101.6 55.88,101.6 60.96,101.6 96.52,101.6 106.68,101.6 111.76,101.6 116.84,101.6 68.58,106.68 88.9,106.68 129.54,106.68 60.96,111.76 76.2,111.76 81.28,111.76 91.44,111.76
NetC8_1: C8.1 C11.1 D2.2 U2.1 U4.1 | length 48.3
  Top Layer w0.762: U4.1 67.789,89.691 69.198,88.282 C11.1 ; U2.1 65.618,102.403 67.056,100.965 C8.1
  Top Layer w1.016: D2.2 58.471,82.525 60.02,84.074 C11.1
  Bottom Layer w1.016: C11.1 C8.1
NetC15_1: C15.1 D5.2 U8.8 | length 9.7
  Top Layer w0.381: U8.8 71.599,50.448 70.616,51.431 70.616,54.229 C15.1
NetC15_2: C15.2 L3.1 Q2.3 Q3.2 R14.2 U8.6 | length 42.5
  Top Layer w0.381: Q2.3 66.675,41.529 66.98,41.834 73.736,41.834 75.057,43.155 R14.2 75.057,45.974 74.676,46.355 U8.6 69.596,46.355 68.58,47.371 68.58,54.813 69.926,56.159 80.366,56.159 80.647,55.878 C15.2
NetC17_1: C17.1 L3.2 R15.2 R18.1 U7.10 | length 18.6
  Top Layer w1.016: R18.1 107.874,48.082 R15.2@108.103,47.854 ; R15.2 113.502,48.108 C17.1
  Bottom Layer w1.016: C17.1@113.563,48.057 113.563,43.332 114.574,42.322 L3.2
NetD1_2: D1.2 L1.1 U2.2 | length 21.4
  Top Layer w0.762: U2.2 68.375,108.409 69.04,107.744 L1.1 78.359,101.981 77.597,101.219 D1.2
NetD2_1: D2.1 J1.2 J1.4 | length 6.2
  Top Layer w1.016: J1.4 58.471,70.663 D2.1
  Bottom Layer w1.016: J1.2 J1.4
NetD3_2: D3.2 L2.1 U4.2 | length 22.2
  Top Layer w0.762: U4.2 68.121,91.391 69.802,89.71 L2.1 78.613,84.074 77.851,83.312 D3.2
NetD4_1: D4.1 Q1.3 RL1.4 | length 14
  Top Layer w0.381: RL1.4 87.63,66.548 88.158,67.076 Q1.3 88.158,72.918 88.388,73.148 D4.1
NetD6_1: D6.1 Q2.1 R12.1 R14.1 | length 21.7
  Top Layer w0.381: Q2.1 75.184,39.751 77.343,41.91 R14.1 R12.1 79.146,48.895 79.908,48.133 79.908,45.39 80.217,45.081 D6.1
NetD6_2: D6.2 R12.2 U8.7 | length 13
  Top Layer w0.381: U8.7 74.676,47.625 75.057,48.006 R12.2 75.057,49.987 75.239,50.169 D6.2
NetD8_1: D8.1 Q3.1 R19.1 R21.1 | length 20
  Top Layer w0.381: D8.1 94.691,50.165 95.225,49.632 R19.1 R21.1 95.225,41.046 93.929,39.751 Q3.1
NetD8_2: D8.2 R19.2 U8.5 | length 29
  Top Layer w0.381: v3(71.599,42.803) U8.5 ; v3(88.392,42.799) D8.2 88.392,47.879 89.103,48.59 R19.2
  Bottom Layer w0.381: v3(71.599,42.803) 71.603,42.799 v3(88.392,42.799)
NetLED1_1: LED1.1 R8.1 | length 5
  Top Layer w0.381: R8.1 94.234,70.485 96.52,68.199 LED1.1
NetP1_1: P1.1 U5.7 | length 7.6
  Top Layer w0.381: U5.7 86.504,59.825 86.665,59.665 86.665,57.76 88.163,56.261 P1.1
NetP1_2: P1.2 U5.6 | length 5.3
  Top Layer w0.381: U5.6 85.233,57.134 85.623,56.744 P1.2
NetQ1_2: Q1.2 R9.1 | length 8.4
  Top Layer w0.381: Q1.2 91.663,69.311 92.329,69.977 92.329,74.295 92.964,74.93 R9.1
NetQ2_2: Q2.2 RL1.1 | length 45.4
  Bottom Layer w1.016: Q2.2 69.215,43.104 70.434,44.323 75.108,44.323 77.191,46.406 77.191,70.968 79.121,72.898 RL1.1
NetR1_2: R1.2 R2.1 U2.4 | length 8.6
  Top Layer w0.762: U2.4 68.121,111.809 68.834,112.522 R1.2 R2.1
NetR5_2: R5.2 R6.1 U4.4 | length 8.7
  Top Layer w0.762: U4.4 68.375,94.791 68.834,95.25 R5.2 R6.1
SOLAR+: C13.1 J1.1 J2.1 R10.2 R11.2 U6.10 | length 20.8
  Bottom Layer w1.016: J2.1 53.975,53.975 52.09,55.86 C13.1 52.09,67.33 52.832,68.072 J1.1
VADC_BAT: C18.1 R18.2 R20.1 U5.5 | length 35.2
  Top Layer w0.381: U5.5 v3(82.864,59.325) ; C18.1 v3(100.635,50.089) 100.635,47.854 100.686,47.803 R20.1
  Bottom Layer w0.381: v3(82.864,59.325) 82.864,51.73 84.506,50.089 v3(100.635,50.089)
VADC_SOL: C16.1 R11.1 R13.1 U5.4 | length 33.6
  Top Layer w0.381: R11.1 58.61,56.578 60.897,58.865 R13.1 60.884,59.195 v2(60.884,62.433) 60.909,62.459 C16.1 ; v2(70.764,57.861) 77.724,57.861 79.688,59.825 U5.4
  Bottom Layer w0.381: v2(60.884,62.433) 60.884,60.63 63.652,57.861 v2(70.764,57.861)
VBUS_BAT: D7.1 R15.1 U7.8 U7.9 | length 18.5
  Top Layer w1.016: D7.1 92.3,55.139 93.167,56.007 107.391,56.007 107.848,55.55 R15.1
VBUS_SOL: R10.1 RL1.3 U6.8 U6.9
pads on no net: RL1.2 U1. U1.3 U1.4 U1.5 U1.6 U1.7 U1.12 U1.13 U1.16 U1.17 U1.18 U1.19 U1.26 U1.27 U1.28 U2.6 U4.6 U6.3 U7.3

## Polygon pours and split planes (outlines as drawn)
GND on Top Layer "Top Layer-GND" (solid, remove dead copper, pour order 112): 45.923,119.278 44.475,117.831 44.475,26.721 136.728,26.721 139.624,29.616 138.481,30.759 138.481,128.27
VBUS_BAT on Top Layer "Top Layer-BAT+" (solid, pour order 106): 113.309,54.991 107.061,54.991 107.061,54.229 107.137,54.229 113.309,54.229
NetC17_1 on Top Layer "Top Layer-NetC17_1" (solid, pour order 104): 112.243,54 112.954,54 112.954,51.613 114.071,50.495 114.071,47.32 113.055,47.32 113.055,50.495 112.243,51.308
no net on Top Layer "Top Layer-No Net 4" (solid, pour order 102): 112.116,54
no net on Top Layer "Top Layer-No Net 5" (solid, pour order 98): 113.309,54.991
no net on Top Layer "Top Layer-No Net 6" (solid, pour order 90): 118.288,39.472
no net on Top Layer "Top Layer-No Net 7" (solid, pour order 84): 102.184,44.45
VBUS_SOL on Top Layer "Top Layer-VBUS_SOL" (solid, pour order 62): 69.825,60.452 66.98,60.452 66.548,60.884 66.548,65.024 63.246,65.024 63.246,60.418 63.933,59.69 69.825,59.69
VBUS_SOL on Top Layer "Top Layer-VBUS_SOL 1" (solid, pour order 70): 66.548,63.043 66.548,77.47 66.954,77.876 71.425,77.876 71.425,80.442 65.1,80.442 63.246,78.588 63.246,63.043
no net on Top Layer "Top Layer-No Net 8" (solid, pour order 42): 114.351,54.432
SOLAR+ on Top Layer "Top Layer-SOLAR+" (solid, pour order 38): 52.248,49.911 55.626,49.911 55.626,52.654 55.905,52.934 61.468,52.934 61.951,53.416 61.951,54.356 60.3,54.356 52.832,54.356 52.248,53.772
SOLAR+ on Top Layer "Top Layer-SOLAR+ 1" (solid, pour order 34): 63.094,58.522 61.951,58.522 60.3,56.871 60.3,54.356 61.951,54.356 61.951,56.312 62.382,56.744 63.094,56.744
no net on Top Layer "Top Layer-No Net 9" (solid, pour order 32): 60.401,56.185
SOLAR+ on Top Layer "Top Layer-SOLAR+ 2" (solid, pour order 30): 63.094,58.522 67.945,58.522 68.174,58.75 68.174,59.512 69.85,59.512 69.85,56.744 63.094,56.744
no net on Top Layer "Top Layer-No Net 10" (solid, pour order 28): 63.094,58.522
no net on Top Layer "Top Layer-No Net" (solid, pour order 14): 62.713,58.547
no net on Top Layer "Top Layer-No Net 1" (solid, pour order 10): 64.897,57.633
no net on Top Layer "Top Layer-No Net 2" (solid, pour order 6): 114.351,54.432
no net on Top Layer "Top Layer-No Net 3" (solid, pour order 4): 114.351,54.432
NetC15_2 on Bottom Layer "Bottom Layer-NetC15_2" (solid, pour order 96): 102.514,37.236 117.094,37.236 117.119,37.211 117.119,35.408 103.708,35.408 102.514,35.408
no net on Bottom Layer "Bottom Layer-No Net" (solid, pour order 94): 103.683,37.236
NetC15_2 on Bottom Layer "Bottom Layer-NetC15_2 1" (solid, pour order 78): 88.181,35.408 103.708,35.408 103.708,37.262 103.683,37.236 90.424,37.236 89.788,37.872
no net on Bottom Layer "Bottom Layer-No Net 1" (solid, pour order 72): 88.392,35.408
NetC15_2 on Bottom Layer "Bottom Layer-NetC15_2 2" (solid, pour order 52): 65.761,40.753 65.761,36.906 67.259,35.408 88.392,35.408 89.916,36.932 89.916,41.046 87.986,41.046 87.986,37.77 87.478,37.262 68.148,37.262 67.615,37.795 67.615,40.728

## Keep-outs
Keep-Out Layer:
  lines w0.504: 48.565,37.592 48.565,114.884 ; 51.308,117.627 129.261,117.627 ; 51.359,34.9 129.364,34.9 ; 132.055,37.694 132.055,114.936
  lines w0.508: 48.565,37.592 ccw(c51.308,37.644) 51.359,34.901 ; 48.565,114.832 cw(c51.308,114.884) 51.256,117.627 ; 129.261,117.627 cw(c129.312,114.885) 132.055,114.936 ; 129.364,34.899 ccw(c129.312,37.642) 132.055,37.694

## Silkscreen, mask and mechanical layers (free items; w line width, h text height)
Top Overlay:
  drawing of 1604 lines, arcs and shapes, not listed
  text "MPPT V1.0" at 83.261,83.083 h2

## Dimensions
51.359,34.9 to 51.308,117.627 on Mechanical 15
48.565,114.884 to 132.055,114.936 on Mechanical 15

## Text inside footprints (layer, text, board x,y; h text height)
C3: Top Overlay "+" at 87.986,103.155 h1.2 r270
C5: Top Overlay "+" at 96.007,103.175 h1.2 r270
C8: Top Overlay "+" at 68.746,102.083 h1.2
C9: Top Overlay "+" at 85.725,90.48 h1.2 r90
C11: Top Overlay "+" at 68.746,85.192 h1.2
C13: Top Overlay "+" at 48.865,57.683 h1.5
C17: Top Overlay "+" at 113.101,49.174 h1.2
J1: Top Overlay "3" at 59.944,67.564 h1; Top Overlay "4" at 59.944,70.104 h1; Top Overlay "2" at 53.34,70.104 h1; Top Overlay "1" at 53.848,67.564 h1